# Altium PCB Austindetz_CM4_Board_v1.0.PcbDoc (part 2 of 6) (continued)
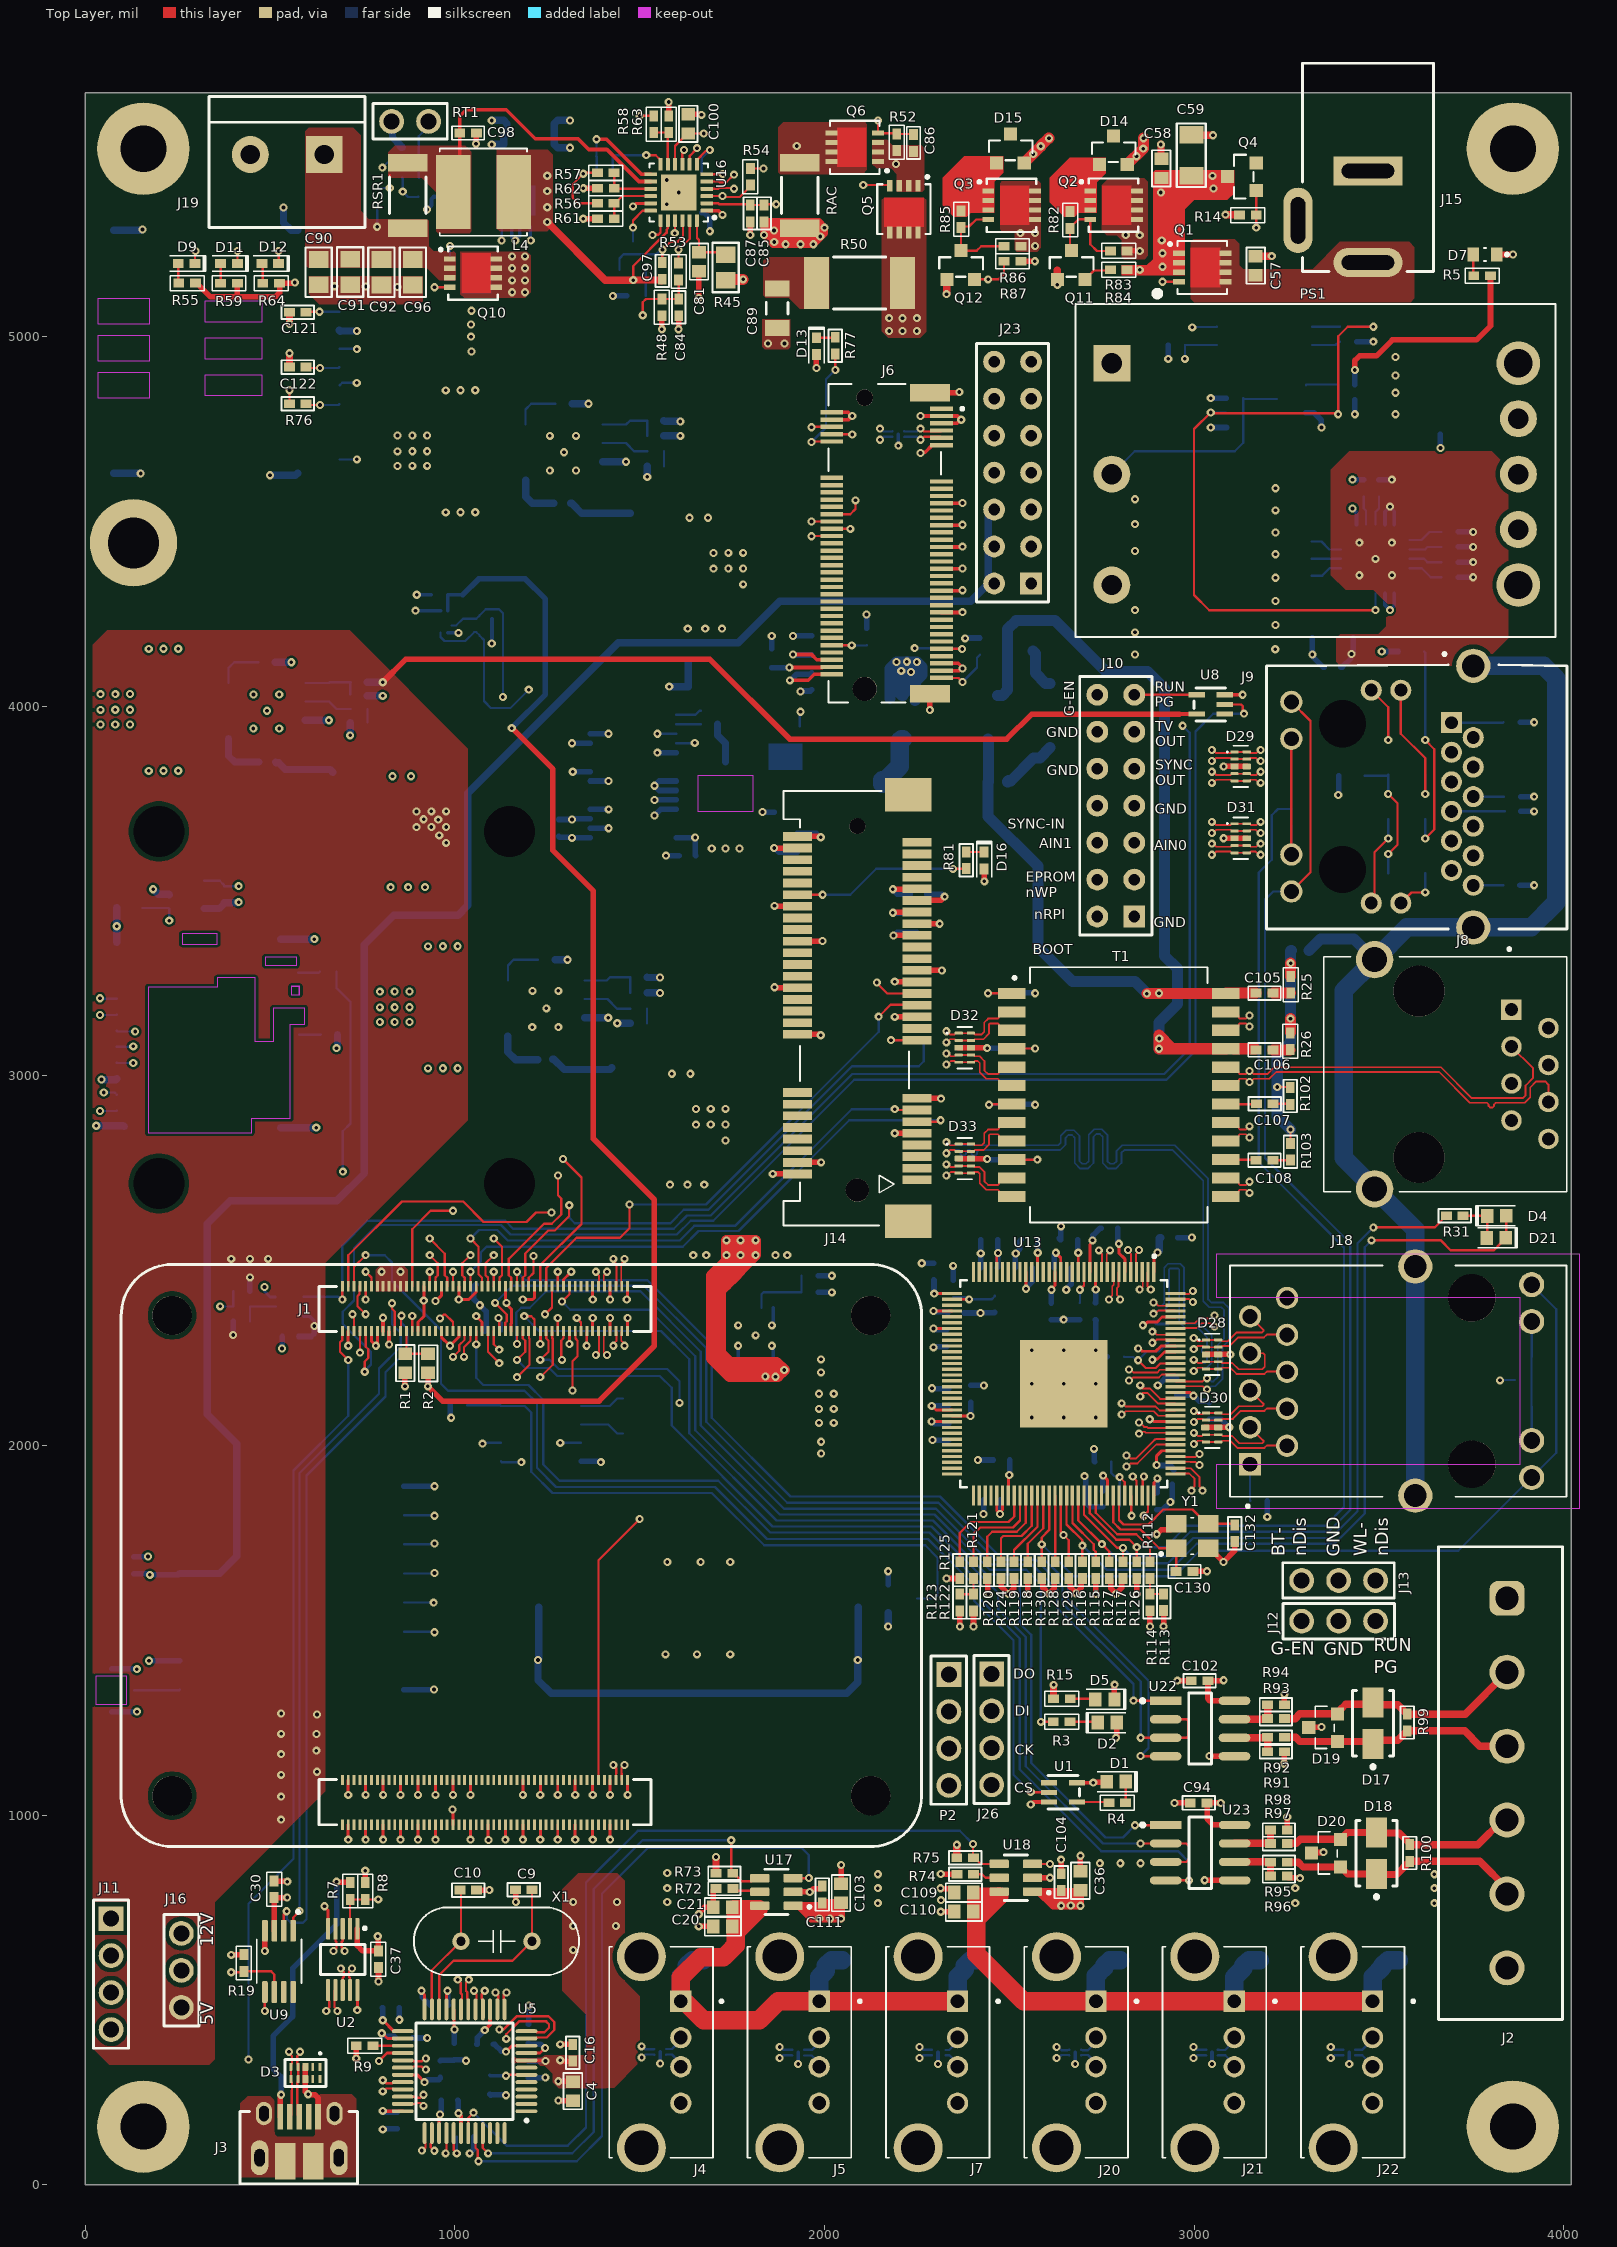
[diagram p0: Top Layer view]
## Part data (continued)
D19 D20: library part RCLAMP3552T, "TVS DIODE 3.5V 6.5V SLP1006N3T", Mfr. Part No.=RCLAMP3552T.TNT, Supplier Part No.=RCLAMP3552T.TNTCT-ND, Supplier="Digikey Electronics", Unit Price (USD)=0.48
D25: "No Description Available", Mfr_Name="Diodes Inc", Copyright="Copyright (C) 2023 Ultra Librarian. All rights reserved.", Manufacturer_Part_Number=SMBJ58A-13-F, RefDes=RefDes, Type=DEV
D26: library part CMP-1060-00149-1, "3 W Zener Voltage Regulator, 2-Pin SMB, Pb-Free, Tape and Reel", Manufacturer="On Semiconductor", ComponentLink1Description="Manufacturer URL", ComponentLink1URL=http://www.onsemi.com/, ComponentLink2Description=Datasheet, ComponentLink2URL=http://www.onsemi.com/pub_link/Collateral/1SMB5913BT3-D.PDF, ComponentLink3Description="Package Specification", ComponentLink3URL=http://www.onsemi.com/pub_link/Collateral/1SMB5913BT3-D.PDF, DatasheetVersion="Rev. 8", Mounting Technology="Surface Mount", PackageDescription="2-Pin Small Molded Package, J-Bend Lead, Body 4.33 x 3.625 mm", PackageReference=SMB-2-403A-03_H, PackageVersion="Rev. H, 05/2011", Packing="Tape and Reel", PartNumber=1SMB5933BT3G, RoHS=Pb-Free, VZ Typ (V)=22
D28 D29 D30 D31 D32 D33: "4-channel ESD solution for SuperSpeed (6 Gbps) USB 3.0 interface 10-USON -40 to 85", Package=None, Availability=Unavailable, MP=TPD4EUSB30DQAR, Price=None
F1: "No Description Available", Mfr_Name=Belfuse, Copyright="Copyright (C) 2023 Ultra Librarian. All rights reserved.", Manufacturer_Part_Number="C1S 1.5", RefDes=RefDes, Type=DEV
FB1 FB2: library part "Inductor Iron", "Magnetic-Core Inductor", LatestRevisionDate=17-Jul-2002, LatestRevisionNote="Re-released for DXP Platform.", PackageDescription="Axial Device, Thru-Hole; 2 Leads; 0.9 in Pin Spacing", PackageReference=AXIAL-0.9, Published=24-Mar-1999, Publisher="Altium Limited"
FL1 FL2 FL3 FL4 FL5 FL8 FL9: library part "Nexperia, PCMF1USB3SZ", "FLT, SMT, WLCSP5, Common Mode EMI Filters", Manufacturer=Nexperia, Operating Temperature="-40ºC ~ +125ºC", Supply Current=NO, Datasheet Link=https://www.nexperia.com/products/esd-protection-tvs-filtering-and-signal-conditioning/emi-solutions-with-integrated-protection/common-mode-filters-with-integrated-protection/PCMF1USB3S.html, Height=0.6mm, Manufacturer Part Number=PCMF1USB3S, Mounting=SMT, Notes=NC, Subpart Type="Common Mode EMI Filters", Substitutes Allowed=NO, Supply Voltage=NO
J1: library part RPICM4, "CONN RCPT 100POS SMD GOLD", Supplier Part No.=H11615CT-ND, Mfr. Part No.=DF40C-100DS-0.4V(51), Supplier="Digikey Electronics", Unit Price (USD)=1.73
J2: library part CMP-1502-02150-2, Color=Green, Current=20A, Voltage=300V, Contact Material=Brass, Contact Plating=Tin, Gender=Male, Height=12mm, Lead Pitch=5.08mm, Length=8.5mm, Mount="Through Hole", NexarPartId=8917751, Number of Contacts=6, Number of Levels=1, Number of Pins=6, Number of Positions Per Level=6, Number of Rows=1, Orientation=Vertical, Packaging=Box, Pitch=5.08mm, REACH SVHC=Unknown, RoHS=Compliant, Termination=Solder, Width=32.48mm
J3: library part USB-Micro, "CONN RCPT USB2.0 MICRO B SMD R/A", Supplier Part No.=609-4050-1-ND, Mfr. Part No.=10103594-0001LF, Supplier="Digikey Electronics", Unit Price (USD)=0.72
J4 J5 J7 J20 J21 J22: Package=None, Availability=Unavailable, MF="{'manufacturer': u'Amphenol ICC (Commercial Products)'}", MP=UE27AE54100, Price=None
J6: "M.2 0.5PITCH 4.2H KEY B 15U'' AU", Package=None, Availability=Unavailable, MP=2199230-3, Price=None
J8: library part A-2014-2-4-N-T-R, "Jack Modular Connector 8p8c (RJ45, Ethernet) Vertical Unshielded", Package=None, Digi-Key_Part_Number=AE10396-ND, MF="ASSMANN WSW Components", MP=A-2014-2-4-N-T-R, Purchase-URL=https://pricing.snapeda.com/search/part/A-2014-2-4-N-T-R/?ref=eda, SnapEDA_Link=https://www.snapeda.com/parts/A-2014-2-4-N-T-R/ASSMANN%20WSW%20Components/view-part/899781/?ref=snap
J9: "Conn RJ-45 F 8 POS 1.02mm Solder ST Thru-Hole 20 Terminal 1 Port Tray", Manufacturer_Name="Bel Magnetic Solutions", Mouser Part Number=530-V8BR-1AX1-GH, Datasheet Link=https://belfuse.com/resources/drawings/magneticsolutions/dr-MAG-V8BR-1AX1-GH.pdf, Geometry.Height=17.02mm, Manufacturer_Part_Number=V8BR-1AX1-GH, Mouser Price/Stock=https://www.mouser.co.uk/ProductDetail/Bel-Magnetic-Solutions/V8BR-1AX1-GH?qs=DPoM0jnrROWshWkc%2FQR6HQ%3D%3D
J10 J23: "CONN HEADER VERT 14POS 2.54MM", Mfr. Part No.=PRPC007DFBN-RC, Supplier Part No.=S2221EC-07-ND, Supplier="Digikey Electronics", Unit Price (USD)=0.47
J11 J26: "CONN HEADER VERT 4POS 2.54MM", Supplier="Digikey Electronics"
J12 J13 J16 RT1: "CONN HEADER VERT 3POS 2.54MM", Mfr. Part No.=75160-156-03LF, Supplier Part No.=609-75160-156-03LF-ND, Supplier="Digikey Electronics", Unit Price (USD)=0.74
J14 U5 U9: library part Component_1
J15: library part "DC Jack", "CONN PWR JACK 2X5.5MM SOLDER", Mfr. Part No.=PJ-037AH, Supplier Part No.=CP-037AH-ND, Supplier="Digikey Electronics", Unit Price (USD)=0.71
J17: library part SIM7100-6-1-15-00-A_REVC, "7 _6 + 1_ Position Card Connector Micro SIM Surface Mount, Right Angle Gold", Package=None, Availability=Unavailable, MF="Global Connector Technology", MP=SIM7100-6-1-15-00-A, Price=None, SnapEDA_Link=https://www.snapeda.com/parts/SIM7100-6-1-15-00-A/Global%20Connector%20Technology/view-part/449163/?ref=snap
J18: "MagJack 1000BaseT", Package=None, Digi-Key_Part_Number=V890-1AX1-A1A-ND, MF="Bel Magnetic Solutions", Mouser-Purchase-URL=https://snapeda.com/shop?store=Mouser&id=423023, MP=V890-1AX1-A1, SnapEDA_Link=https://www.snapeda.com/parts/V890-1AX1-A1/Bel%20Magnetic%20Solutions/view-part/423023/?ref=snap
J24: library part SD-CARD, "MICRO SD PUSH/PUSH SMALL 8C", Supplier Part No.=WM11190CT-ND, Mfr. Part No.=5033981892, Supplier="Digikey Electronics", Unit Price (USD)=2.41
J25: "U.FL Series 6 Ghz 50 Ohm Ultra-small SMT Coaxial Cable Receptacle", Package=None, Availability=Unavailable, MP=U.FL-R-SMT-1(10), Price=None
L1 L2 L3 L6: library part 4.3x4.3mm, "FIXED IND 22UH 620MA 350 MOHM", Mfr. Part No.=ASPI-4020S-220M-T, Supplier Part No.=535-12307-1-ND, Supplier="Digikey Electronics", Unit Price (USD)=0.48
L5: "Coupled inductor, 5A, 0.01 ohm, SMD", Manufacturer=TDK, Supplier Part Number 1=445-2214-1-ND, ComponentLink1Description="Datasheet link", ComponentLink1URL=http://www.tdk.co.jp/tefe02/e9713_acm.pdf, ComponentName=ACM7060-301-2PL-TL, CompType="Coupled Inductor", Config="Common Chokes", DCR_Ohm=0.01, Isat=5, LatestRevisionDate=2013-10-29, MountType=SMT, PackageReference="6x3.5x7 mm", PartNumber=ACM7060-301-2PL-TL, Published=2008-05-16, Publisher="Texas Instruments", RoHS=Y, Supplier 1=Digi-Key, SymbolCreator=a0799628, SymbolVersion=2013-03-27, U/M=EA
P2: "Header, 4-Pin", LatestRevisionDate=17-Jul-2002, LatestRevisionNote="Re-released for DXP Platform.", Publisher="Altium Limited"
PS1: "Isolated Module DC DC Converter 1 Output 12V - - 5A 36V - 75V Input", Package=None, Availability="In Stock", Check_prices=https://www.snapeda.com/parts/ULS-12/5-D48N-C/Murata/view-part/?ref=eda, ComponentLink1Description="New link", ComponentLink1URL=VOUT-, MF="Murata Power Solutions Inc.", MP=ULS-12/5-D48N-C, Price=None, Purchase-URL=https://pricing.snapeda.com/search/part/ULS-12/5-D48N-C/?ref=eda, SnapEDA_Link=https://www.snapeda.com/parts/ULS-12/5-D48N-C/Murata/view-part/?ref=snap
Q1 Q5 Q6 Q10: library part MOSFET-P, Supplier="Digikey Electronics"
Q2 Q3 Q7 Q8: library part MOSFET-N, Supplier="Digikey Electronics"
Q4: library part Diode-SOT23-3, Supplier="Digikey Electronics"
Q9: library part CMP-1259-00083-1, "N-Channel Trench MOSFET, 60 V, 0.35 A, -55 to 150 degC, 3-Pin SOT23, Tape and Reel", Manufacturer="NXP Semiconductors", Automotive Qualified=Y, Channel Type=N, Code_JEDEC=TO-236AB, ComponentLink1Description="Manufacturer URL", ComponentLink1URL=http://www.nxp.com/, ComponentLink2Description=Datasheet, ComponentLink2URL=http://www.nxp.com/documents/data_sheet/2N7002BK.pdf, ComponentLink3Description="Package Specification", ComponentLink3URL=http://www.nxp.com/documents/outline_drawing/sot023_po.pdf, DatasheetVersion="Rev. 1", ID [max] (A)=0.35, IDM [max] (A)=1.2, Mounting Technology="Surface Mount", PackageDescription="3-Pin Small Outline Transistor Package, Body 2.9 x 1.3 mm, Pitch 0.95 mm", PackageReference=SOT23, PackageVersion="06-03-16, 03/2006", Packing="Tape & Reel", PartNumber=2N7002BK,215, VDS [max] (V)=60, VGSth [typ] (V)=1.6
Q11 Q12: library part 2N3904, "NPN General Purpose Amplifier", ComponentLink1Description="Manufacturer Link", ComponentLink1URL=http://www.fairchildsemi.com/, ComponentLink2Description=Datasheet, ComponentLink2URL=http://www.fairchildsemi.com/ds/2N%2F2N3904.pdf, DatasheetVersion=1997, LatestRevisionDate=15-Jan-2003, LatestRevisionNote="PCB Footprint 'BCY-W3/D4.7' replaced", PackageDescription="TO, Flat Index; 3 In-Line, Axial Leads; Body Dia. 4.5mm; Leads 0.51 x 0.48 mm (max)", PackageReference=TO-92A, PackageVersion=Sep-1998, Published=8-Jun-2000, Publisher="Altium Limited"
Q13: "MOSFET, N-CH, 100V, 3.3A, 3.3x1x3.3mm", Alternate Manufacturer=None, Manufacturer="Fairchild Semiconductor", Supplier Part Number 1=FDMC3612CT-ND, Value1="0.11 ohm", Value2="21 nC", ChType=N, ComponentLink1Description="Datasheet link", ComponentLink1URL=http://www.fairchildsemi.com/ds/FD/FDMC3612.pdf, CompType=MOSFET, IdsMax_A=3.3, LatestRevisionDate=2013-08-15, LatestRevisionNote="Added parts.", MountType=SMT, PackageReference=3.3x1x3.3mm, PartNumber=FDMC3612, Published=2008-06-19, Publisher="Texas Instruments", QgTyp_nC=21, Rdson45_Ohm=0.11, RoHS=Y, Supplier 1=Digi-Key, Supplier 2=Mouser, Supplier 3=Farnell, Supplier Part Number 2=512-FDMC3612, Supplier Part Number 3=2083247, SymbolVersion=2008-07-09, U/M=EA, VdsMax_V=100, Vgs_V=4
R1: library part Resistor, "RESA-AS 0805 0R JUMPER 125MW", Mfr. Part No.=CR0805AJ/-000EAS, Supplier Part No.=CR0805AJ/-000EASCT-ND, Supplier="Digikey Electronics", Unit Price (USD)=0.1
R2: library part Resistor, "CRGCQ 0402 470R 1%", Mfr. Part No.=nf, Supplier=nf, Supplier Part No.=nf, Unit Price (USD)=0
R3 R4 R32 R33 R49 R73 R75 R89 R108 R109 R110 R111 R112 R113 R114 R115 R116 R117 R118 R119 R120 R121 R122 R123 R124 R125 R126 R127 R128 R129 R130 R138: library part Resistor, "RES SMD 1K OHM 1% 1/16W 0402", Mfr. Part No.=RC0402FR-071KL, Supplier Part No.=311-1.00KLRCT-ND, Supplier="Digikey Electronics", Unit Price (USD)=0.1
R5 R6 R10 R11 R34 R35 R37 R38 R39 R40 R41 R42 R43 R44 R68 R69 R70 R71 R72 R74: library part Resistor, "RES SMD 15K OHM 1% 1/16W 0402", Mfr. Part No.=MCR01MZPF1502, Supplier Part No.=RHM15.0KLTR-ND, Supplier="Digikey Electronics", Unit Price (USD)=0.1
R7 R8 R18: library part Resistor, "RES SMD 2.2K OHM 1% 1/16W 0402", Mfr. Part No.=RT0402FRE072K2L, Supplier Part No.=13-RT0402FRE072K2LCT-ND, Supplier="Digikey Electronics", Unit Price (USD)=0.1
R9 R54: library part Res1, "Resistor", LatestRevisionDate=17-Jul-2002, LatestRevisionNote="Re-released for DXP Platform.", PackageDescription="Axial Device, Thru-Hole; 2 Leads; 0.3 in Pin Spacing", PackageReference=AXIAL-0.3, Published=8-Jun-2000, Publisher="Altium Limited"
R12 R13 R14 R15 R19 R20 R21 R22 R23 R24 R25 R26 R27 R28 R29 R30 R31 R76 R77 R78 R79 R80 R81 R88 R91 R92 R93 R94 R95 R96 R97 R98 R99 R100 R101 R102 R103 R104 R106 R147 R148 R149 R150 R151: library part Resistor, "RES SMD 51 OHM 0.5% 1/16W 0402", Mfr. Part No.=ERA-2AED510X, Supplier Part No.=P51DECT-ND, Supplier="Digikey Electronics", Unit Price (USD)=0.21
R16 R17: library part Resistor, "RES SMD 510K OHM 1% 1/16W 0402", Mfr. Part No.=MCR01MZPF5103, Supplier Part No.=RHM510KLCT-ND, Supplier="Digikey Electronics", Unit Price (USD)=0.1
R45 R46 R47 R48 R51 R52 R53 R55 R56 R57 R58 R59 R61 R62 R63 R64 R65 R66 R67: "Semiconductor Resistor", LatestRevisionDate=17-Jul-2002, LatestRevisionNote="Re-released for DXP Platform.", PackageDescription="Axial Device, Thru-Hole; 2 Leads; 0.5 in Pin Spacing", PackageReference=AXIAL-0.5, Published=8-Jun-2000, Publisher="Altium Limited"
R50: library part CMP-26527-006700-1, "2Ω ±5% 1W 2512 Thick Film Chip Resistor AEC-Q200 compliant", Case Code (Imperial)=2512, Case Code (Metric)=6432, Max Operating Temperature=155°C, Max Power Dissipation=1W, Min Operating Temperature=-55°C, Resistance=2R, Resistor Type="Thick Film", Temperature Coefficient=400ppm/°C, Tolerance=5%, Case/Package=2512, Construction=Rectangular, Contact Plating=Tin, Depth=3.2mm, Features="Automotive AEC-Q200", Height=0.028inch, Lead Free="Lead Free", Length=0.248inch, Military Standard=Not, Mount="Surface Mount", Number of Terminations=2, Packaging="Tape and Reel", Power Rating=1W, Radiation Hardening=No, RoHS Compliant=Yes, Series=RMCF, Size Code=2512, Width=0.126inch
R82 R83 R84 R85 R86 R87: library part Resistor, "Semiconductor Resistor", LatestRevisionDate=17-Jul-2002, LatestRevisionNote="Re-released for DXP Platform.", PackageDescription="Axial Device, Thru-Hole; 2 Leads; 0.5 in Pin Spacing", PackageReference=AXIAL-0.5, Published=8-Jun-2000, Publisher="Altium Limited"
R90: library part Resistor, "RES SMD 12K OHM 1% 1/16W 0402", Mfr. Part No.=MCR01MZPF1202, Supplier Part No.=RHM12.0KLCT-ND, Supplier="Digikey Electronics", Unit Price (USD)=0.12
RAC RSR1: library part CMP-2000-07418-1, "Chip Resistor, 10 mOhm, +/- 1%, 0.5 W, -65 to 170 degC, 2010 (5025 Metric), RoHS, Tape and Reel", Case Code - in=2010, Case Code - mm=5025, Case Height=0.635mm, Case Length=5mm, Case Width=2.5mm, Manufacturer=Vishay, Operating Temperature Range=-65Cto+170C, Package / Case=2010(5025metric), Package Description="2-Pin Surface Mount Device, Body 5.08 x 2.54 mm", Power Rating=500mW(1/2W), Resistance=0.01Ohms, Temperature Coefficient=75PPM/C, Tolerance=1%, Brand=Vishay/Dale, Datasheet URL=http://www.vishay.com/docs/30100/wsl.pdf, Datasheet Version=07/2016, Factory Pack Quantity=4000, Manufacturer URL=http://www.vishay.com/, Mounting Technology=SurfaceMount, Package Reference=2010, Packaging=Reel, Product=MetalElementCurrentSensingResistors, Product Category=CurrentSenseResistors-SMD, RoHS=Details, Series=WSL, Termination Style=SMD/SMT, Tradename=PowerMetalStrip, Type=PowerMetalStripResistors,LowValue(downto0.0005Ohms),SurfaceMount, Unit Weight=0.001372oz
T1: library part 7490220122, "350ÂµH LAN 10/100/1000 Base-T Pulse Transformer 1CT:1CT Transmitter, 1CT:1CT Receiver Surface Mount", Package="SMD-2 Wurth Electronics", Availability=Unavailable, MF="Wurth Electronics", MP=7490220122, Price=None, SnapEDA_Link=https://www.snapeda.com/parts/7490220122/Wurth%20Electronics%20Inc./view-part/1426413/?ref=snap
U1 U7 U8: "IC BUF NON-INVERT 5.5V SOT353", Supplier Part No.=74LVC1G07SE-7DICT-ND, Mfr. Part No.=74LVC1G07SE-7, Supplier="Digikey Electronics", Unit Price (USD)=0.26
U2: "IC USB SWITCH DPDT 10MSOP", Supplier Part No.=FSUSB42MUXCT-ND, Mfr. Part No.=FSUSB42MUX, Supplier="Digikey Electronics", Unit Price (USD)=0.6
U3 U25: "No Description Available", Mfr_Name="Texas Instruments", Copyright="Copyright (C) 2023 Ultra Librarian. All rights reserved.", RefDes=RefDes, Type=DEV
  U3: Manufacturer_Part_Number=TPS2372-3RGWR
  U25: Manufacturer_Part_Number=TPS23861PW
U4 U10 U11: library part CMP-12757-000024-1, "DCDC CONV HV BUCK SO-8EP"
U6: "IC RTC CLK/CALENDAR I2C 8SOIC", Supplier Part No.=568-PCF85063AT/AAZCT-ND, Mfr. Part No.=PCF85063AT/AAZ, Supplier="Digikey Electronics", Unit Price (USD)=0.335
U12: library part CMP-2000-05058-1, "DC Input, Half-Pitch Phototransistor Optocoupler, 5 V, -55 to 110 degC, 4-Pin SOIC, RoHS, Tape and Reel", Current Transfer Ratio=600%, Isolation Voltage=3000Vrms, Manufacturer=AvagoTechnologies, Maximum Collector Current=50mA, Maximum Collector Emitter Saturation Voltage=0.4V, Maximum Collector Emitter Voltage=80V, Maximum Forward Diode Voltage=1.4V, Maximum Operating Temperature=+110C, Maximum Power Dissipation=200mW, Maximum Reverse Diode Voltage=6V, Minimum Operating Temperature=-55C, Package / Case=SOIC-4, Package Description="4-Pin Small Outline Integrated Circuits, Body 4.4 x 2.6 mm, Pitch 1.27 mm", Brand=AvagoTechnologies, Configuration=1Channel, Datasheet URL=https://datasheet.ciiva.com/15118/getdatasheetpartid-243403-15118938.pdf, Datasheet Version=Aug-11, Factory Pack Quantity=3000, Input Type=DC, Manufacturer URL=http://www.avagotech.com/, Maximum Fall Time=3us, Maximum Input Diode Current=50mA, Maximum Rise Time=2us, Number of Channels=1Channel, Number of Channels per Chip=1Channel, Output Device=NPNPhototransistor, Output Type=DC, Package Reference=SOIC-4, Packaging=Reel, Product Category=TransistorOutputOptocouplers, RoHS=Details
U13: Mfr_Name=Realtek, Package=LQFP128_EPAD_RTK, Copyright="Copyright (C) 2023 Ultra Librarian. All rights reserved.", DeviceSetName=RTL8367RB-CG, GateName_1=A, GateName_2=B, LibraryName=RTL8367RB, Manufacturer_Part_Number=RTL8367RB-CG, SymbolName_1=RTL8367RB-CG_PARTA, SymbolName_2=RTL8367RB-CG_PARTB
U14: "No Description Available", Mfr_Name=STMicroelectronics, RefDes=RefDes, Type=Type
U16: library part bq24616
U17 U18: "LOAD SWITCH,SOT26,T&R,3K", Supplier Part No.=31-AP22653W6-7CT-ND, Mfr. Part No.=AP22653W6-7, Supplier="Digikey Electronics", Unit Price (USD)=0.42
U19: "IC PWR SWTCH N-CHAN 1:1 TSOT23-5", Supplier Part No.=1028-1436-1-ND, Mfr. Part No.=RT9742GGJ5, Supplier="Digikey Electronics", Unit Price (USD)=1.52
U22 U23: library part CMP-05679-000063-1, "DUAL VOLTAGE RS-485, 70V FP, 40V"
U24: "RFM95(W) - Low Power Long Range Transceiver Module V1.0", Package=None, Availability=Unavailable, MP=RFM95W-915S2, Price=None
X1: library part ST3215SB32768C0HPWBB, "CRYSTAL 24.0000MHZ 18PF TH", Mfr. Part No.=ECS-240-18-4XEN, Supplier Part No.=XC1725-ND, Supplier="Digikey Electronics", Unit Price (USD)=0.66
X2: library part ST3215SB32768C0HPWBB, "CRYSTAL 32.7680KHZ 7PF SMD 20ppm", Mfr. Part No.=CM7V-T1A-32.768KHZ-7PF-20PPM-TB-QA, Supplier Part No.=2195-CM7V-T1A-32.768KHZ-7PF-20PPM-TB-QACT-ND, Supplier="Digikey Electronics", Unit Price (USD)=0.42
Y1: "25 MHz Â±30ppm Crystal 10pF 60 Ohms 4-SMD, No Lead", Package="SMD-4 Abracon", Availability="In Stock", Check_prices=https://www.snapeda.com/parts/ABM8G-25.000MHZ-4Y-T3/Abracon+LLC/view-part/?ref=eda, MF=Abracon, MP=ABM8G-25.000MHZ-4Y-T3, Price=None, Purchase-URL=https://pricing.snapeda.com/search/part/ABM8G-25.000MHZ-4Y-T3/?ref=eda, SnapEDA_Link=https://www.snapeda.com/parts/ABM8G-25.000MHZ-4Y-T3/Abracon+LLC/view-part/?ref=snap
C81 C82 C83 C84 C85 C86 C87 C88 C89 C90 C91 C92 C96 C97 C98 C99 C100 C101 Cff1 Cttc: LatestRevisionDate=17-Jul-2002, LatestRevisionNote="Re-released for DXP Platform.", PackageDescription="Radial Cap, Thru-Hole; 2 Leads; 0.3 in Pin Spacing", PackageReference=RAD-0.3, Published=8-Jun-2000, Publisher="Altium Limited"
J19: Supplier="Digikey Electronics"
L4: Code_IEC=1005, Code_JEITA=0402, LatestRevisionDate=29-May-2009, LatestRevisionNote="IPC-7351 Footprint Added.", PackageDescription="Chip Inductor", PackageReference=0402-A, Published=8-Jun-2000, Publisher="Altium Limited"

## Free pads (board coordinates)
  round 236.22 hole 137.8: MH(130.5,4442.17)
  round 250 hole 125.2 mask+2.76: MH(157.39,5508.61) MH(157.39,157.46) MH(3862.43,157.46) MH(3862.43,5508.61)

## Via types
v1: diameter 22, hole 10, Top Layer to Bottom Layer, tented both sides, 968 vias
v2: diameter 22, hole 10, Top Layer to Bottom Layer, 5 vias

## Nets (pads, with @x,y where several pads share a name; then routed paths per layer and width w, separated by ;. In a path a pad name is that pad's centre, name@x,y a point inside that pad or via, vN(x,y) a via of type N, cw(c..) or ccw(c..) an arc to the next point about the centre after c; other vN are vias at no path point)
3V3: C40.1 J23.2 J23.4 J23.6 U24.13 | length 4804.7
  Bottom Layer w15: C40.1@130.79,1653.33 169.67,1653.33 173.02,1649.98 v1(174.91,1649.98) 251.96,1649.98 U24.13@255.88,1653.91
  Bottom Layer w20: U24.13@255.88,1653.91 363.83,1653.91 409.91,1699.98 409.91,2004.98 329.91,2084.98 329.91,2599.98 391.91,2661.98 680.91,2661.98 754.91,2735.98 754.91,3354.98 834.91,3434.98 1008.68,3434.98 1034.91,3461.21 1034.91,3764.98 1441.94,4172.01 1766.94,4172.01 1878.63,4283.71 2395.42,4283.71 2442.71,4331 2442.71,4431 J23.6@2442.71,4531
3V3_M2+PCIE: C32.1 C33.1 C34.1 C71.1 C72.1 C73.1 C118.1 C119.1 C120.1 D13.1 D16.1 J6.2 J6.4 J6.70 J6.72 J6.74 J14.2 J14.39 J14.41 J14.52 L2.1 R21.1 R78.2 | length 1246.3
  Top Layer w10: v1(1904.91,4104.98) 1993.75,4104.98 1993.75,4105.3 1994.68,4106.23 J6.72@2019.28,4106.23 ; v1(1906.15,4070.14) 1956.15,4070.14 1972.56,4086.54 J6.74@2019.28,4086.54 ; v1(1914.71,4139.98) 1964.71,4139.98 1978.78,4125.91 J6.70@2019.28,4125.91 ; J6.4@2019.28,4775.52 2065.07,4775.52 v1(2074.91,4785.36) 2073.35,4785.36 2063.51,4795.2 J6.2@2019.28,4795.2
  Top Layer w15: v1(1859.91,2734.98) 1860.17,2734.73 1927.17,2734.73 J14.2@1927.43,2734.47 ; J14.52@1927.43,3647.86 1987.78,3647.86 v1(1989.91,3645.73) ; v1(1978.18,4914.98) D13.1@1978.18,4951.72 ; v1(2184.91,3441.28) 2186.76,3443.13 J14.39@2250.26,3443.13 ; J14.41@2250.26,3474.63 2314.56,3474.63 v1(2324.91,3484.98) ; D16.1@2431.72,3560.22 2432.09,3559.85 2432.09,3526.62 v1(2432.47,3526.25)
  Bottom Layer w15: C73.1@1856.7,4103.71 1857.34,4104.35 1904.27,4104.35 v1(1904.91,4104.98) ; v1(1906.15,4070.14) 1908.05,4070.14 1924.88,4086.97 1962.08,4086.97 C71.1@1965.09,4089.98 ; v1(1914.71,4139.98) 1915.98,4138.71 C72.1@1965.09,4138.71 ; C119.1@1926.12,3656.26 1977.49,3656.26 1988.02,3645.73 v1(1989.91,3645.73) ; v1(2113.85,4248.2) 2114.13,4247.92 2114.13,4210.83 R78.2@2114.4,4210.56 ; v1(2184.91,3441.28) 2185.56,3440.63 2249.26,3440.63 C120.1@2249.91,3439.98 ; C118.1@2276.56,3490.86 2317.14,3490.86 2323.02,3484.98 v1(2324.91,3484.98)
  Bottom Layer w20: R21.1@1565.56,4772.65 1567.37,4770.84 1609.68,4770.84 v1(1609.91,4770.6)
  other v1: 1779.91,4329.75 1699.91,4372.28 1739.91,4372.58 1779.91,4372.58 1699.91,4414.68 1739.91,4414.98 1779.91,4414.98
12V_ADP: C58.1 C59.1 Q1.S Q3.D Q4.3 R84.1 R86.1 | length 36.3
  Top Layer w15: R84.1@2818.93,5180.69 v1(2853.03,5180.69) ; v1(2909.91,5389.98) v1@2910.69,5390.76 ; C58.1@2910.69,5428.57 C58.1@2911.47,5429.35
  other v1: 2914.24,5188.9 2914.24,5225.42 2569.91,5244.98 2912.53,5260.52 2529.91,5279.98 2569.91,5279.98 3052.2,5400.64 3049.91,5434.98
12V_POE: C74.1 C75.1 C76.1 PS1.7 PS1.8 Q2.D R83.1 R87.1 | length 72.2
  Top Layer w15: R87.1@2531.07,5204.12 v1(2569.15,5204.12) ; R83.1@2818.93,5231.87 v1(2853.03,5231.87)
  other v1: 2814.91,5274.98 2853.03,5274.62
12V_SYS: C12.1 C23.1 C24.1 C25.1 C26.1 C27.1 C28.1 C31.1 C43.1 C44.1 C45.1 C46.1 C82.1 C83.1 C84.2 C85.2 C149.1 C150.1 J16.3 Q8.D Q10.D R48.2 RAC.2 U4.2 U4.3 U10.2 U10.3 U11.2 U11.3 U14.1 U14.2 U14.6 U16.1 | length 3180.9
  Top Layer w10: U16.1@1681.85,5340.9 1712.74,5340.9 v1@1724.11,5329.53
  Top Layer w15: v1(1559.91,5019.98) 1560.19,5020.26 1560.19,5056.32 R48.2@1560.46,5056.6 ; v1(1604.91,5019.98) 1605.29,5020.36 1605.29,5056.22 C84.2@1605.66,5056.6
  Top Layer w20: C85.2@1836.45,5307.55 C85.2@1836.45,5310.5 1984.39,5310.5 v1(1999.91,5294.98) v1@1999.53,5294.6 ; C85.2@1836.45,5307.55 v1(1836.45,5274.98) 1850.6,5260.83 ; C85.2@1836.45,5307.55 1850.6,5293.4 ; 1850.6,5260.83 1850.6,5277.11 ; 1850.6,5260.83 1861.45,5249.98 1878.18,5249.98 ; 1850.6,5277.11 1850.6,5293.4 ; 1850.6,5277.11 v1@1864.91,5277.11 ; 1850.6,5293.4 RAC.2@1903.32,5293.4 ; v1@1864.91,5277.11 v1@1867.78,5277.11 ; v1@1864.91,5277.11 1864.91,5263.25 1878.18,5249.98 ; v1@1867.78,5277.11 v1(1894.91,5249.98) ; v1@1867.78,5277.11 1887.04,5277.11 1889.7,5279.77 1890.1,5279.77 RAC.2@1894.91,5284.58 ; 1878.18,5249.98 v1(1894.91,5249.98) ; v1(1894.91,5249.98) 1894.91,5267.48 ; v1(1894.91,5249.98) v1(1934.91,5249.98) ; 1894.91,5267.48 RAC.2@1894.91,5284.58 ; 1894.91,5267.48 1897.51,5264.88 1934.91,5264.88 ; RAC.2@1894.91,5284.58 1894.91,5284.98 RAC.2@1903.32,5293.4 ; RAC.2@1903.32,5293.4 RAC.2@1933.25,5293.4 ; RAC.2@1933.25,5293.4 RAC.2@1934.91,5291.74 ; RAC.2@1933.25,5293.4 RAC.2@1975.2,5293.4 ; v1(1934.91,5249.98) 1934.91,5264.88 ; v1(1934.91,5249.98) v1(1969.91,5249.98) ; 1934.91,5264.88 1969.91,5264.88 ; 1934.91,5264.88 RAC.2@1934.91,5291.74 ; RAC.2@1934.91,5291.74 RAC.2@1941.66,5284.98 ; RAC.2@1941.66,5284.98 1943.92,5282.73 RAC.2@1966.96,5282.73 ; RAC.2@1941.66,5284.98 1964.7,5284.98 RAC.2@1966.96,5282.73 ; RAC.2@1966.96,5282.73 RAC.2@1969.91,5279.77 ; RAC.2@1966.96,5282.73 RAC.2@1969.91,5282.73 ; v1(1969.91,5249.98) 1999.53,5279.6 ; v1(1969.91,5249.98) 1969.91,5264.88 ; 1969.91,5264.88 RAC.2@1969.91,5279.77 ; RAC.2@1969.91,5279.77 RAC.2@1969.91,5282.73 ; RAC.2@1969.91,5282.73 1969.91,5288.11 RAC.2@1975.2,5293.4 ; RAC.2@1969.91,5282.73 1996.4,5282.73 1999.53,5279.6 ; RAC.2@1975.2,5293.4 1976.4,5294.6 v1@1999.53,5294.6 ; RAC.2@1975.2,5293.4 1998.32,5293.4 v1@1999.53,5294.6 ; 1999.53,5279.6 v1@1999.53,5294.6
  Top Layer w30: 1694.91,2424.98 1694.91,2459.66 1734.91,2499.66 ; 1694.91,2424.98 1694.91,2234.98 1719.05,2210.84 ; 1694.91,2424.98 1734.91,2464.98 ; 1719.05,2210.84 1743.37,2186.53 1783.37,2186.53 ; 1719.05,2210.84 1719.05,2250.84 ; 1719.05,2250.84 1719.05,2419.13 1734.91,2434.98 ; 1719.05,2250.84 1744.91,2224.98 ; 1734.91,2434.98 1734.91,2464.98 ; 1734.91,2434.98 1757.41,2457.48 ; 1734.91,2464.98 1734.91,2499.66 ; 1734.91,2499.66 v1(1734.91,2514.98) ; v1(1734.91,2514.98) 1757.41,2492.48 ; v1(1734.91,2514.98) 1734.91,2534.98 ; v1(1734.91,2514.98) v1(1772.95,2514.98) ; 1734.91,2534.98 1772.95,2534.98 ; 1734.91,2534.98 v1(1734.91,2554.98) v1(1772.95,2554.98) ; 1744.91,2224.98 1783.37,2186.53 ; 1744.91,2224.98 1769.91,2224.98 ; 1757.41,2457.48 1772.95,2473.03 1772.95,2474.24 ; 1757.41,2457.48 1757.41,2492.48 ; 1757.41,2492.48 1772.95,2476.94 ; 1769.91,2224.98 1819.91,2224.98 ; 1769.91,2224.98 1794.91,2199.98 ; 1772.95,2474.24 1772.95,2476.94 ; 1772.95,2474.24 v1(1813.7,2514.98) ; 1772.95,2476.94 v1(1772.95,2514.98) ; v1(1772.95,2514.98) 1772.95,2534.98 ; v1(1772.95,2514.98) v1(1813.7,2514.98) ; 1772.95,2534.98 1813.7,2534.98 ; 1772.95,2534.98 v1(1772.95,2554.98) ; v1(1772.95,2554.98) v1(1813.7,2554.98) 1813.7,2534.98 ; 1783.37,2186.53 1808.37,2186.53 ; 1794.91,2199.98 1808.37,2186.53 ; 1794.91,2199.98 1819.91,2224.98 ; 1808.37,2186.53 1826.11,2204.27 v1(1891.13,2204.27) ; 1808.37,2186.53 v1(1839.91,2186.53) 1873.39,2186.53 v1(1891.13,2204.27) ; v1(1813.7,2514.98) 1813.7,2534.98 ; 1819.91,2224.98 1870.42,2224.98 v1(1891.13,2204.27)
  Bottom Layer w20: U14.6@1830.03,2222.92 1830.03,2198.38 1839.91,2188.51 v1(1839.91,2186.53) 1867.28,2186.53 1867.52,2186.29 1868.21,2186.29 1868.82,2186.91 1874.93,2186.91 1890.75,2202.73 1890.75,2203.35 v1@1891.13,2203.35
  other v1: 1867.28,2185.91 797.1,3145.7 837.1,3146 877.1,3146 797.1,3185.4 837.1,3185.7 877.1,3185.7 797.1,3227.99 837.1,3228.29 877.1,3228.29 41.3,3950.59 81.3,3950.59 121.3,3950.89 41.3,3990.28 81.3,3990.59 121.3,3990.59 41.3,4032.87 81.45,4032.87 121.3,4033.17 844.91,4649.98 884.91,4650.29 924.91,4650.29 844.91,4689.68 884.91,4689.98 924.91,4689.98 844.91,4732.27 884.91,4732.57 924.91,4732.57 1154.91,5119.98 1189.91,5119.98 1154.91,5152.24 1189.91,5152.24 1154.91,5184.83 1189.91,5184.83 1154.91,5217.18 1189.91,5217.18 1864.18,5255.96 1988.38,5270.99 1863.53,5287.24 1724.14,5329.53
+1.2V: C54.1 C61.1 C64.1 C67.1 C70.1 C126.1 C127.1 C128.1 C129.1 C133.1 C151.1 C152.1 L6.2 R12.2 R110.2 R111.2 U13.6 U13.14 U13.21 U13.28 U13.53 U13.71 U13.101 U13.111 U13.124 | length 1167.4
  Top Layer w8: v1(2290.25,2107.39) 2301.5,2096.14 U13.53@2344.81,2096.14 ; U13.28@2465.96,2469.26 2465.96,2517.58 v1(2469.18,2520.79) ; U13.71@2497.45,1864.76 2497.95,1865.26 2497.95,1918.03 v1(2499.91,1919.98) ; U13.21@2576.19,2469.26 2576.19,2520.79 v1(2576.91,2521.51) ; U13.14@2686.43,2469.26 v1(2686.43,2521.51) ; v1(2796.31,2545.97) 2796.31,2521.19 2812.41,2505.08 U13.6@2812.41,2469.26 ; v1(2861.35,2325.52) 2865.14,2325.52 2873.35,2333.73 2899.44,2333.73 2913.31,2347.61 2948.81,2347.61 U13.124@2949.31,2348.11 ; v1(2898.57,1947.28) 2898.57,1972.15 2912.32,1985.91 U13.101@2949.31,1985.91 ; U13.111@2949.31,2143.39 2989.84,2143.39 v1(2998.47,2134.76)
  Bottom Layer w8: v1(2861.35,2325.52) 2865.14,2325.52 2873.35,2333.73 2893.7,2333.73 2899.06,2328.37 R110.2@2930.46,2328.37
  Bottom Layer w15: R12.2@1983.3,2459.43 v1(2019.91,2459.43) ; v1(2290.25,2107.39) 2290.72,2107.86 2335.31,2107.86 C61.1@2335.79,2108.33 ; v1(2347.91,2485.98) 2348.38,2485.52 R111.2@2348.38,2447.37 ; C70.1@2467.36,2481.26 2468.27,2482.17 2468.27,2519.89 v1(2469.18,2520.79) 2468.87,2521.1 2468.87,2556.55 C67.1@2468.56,2556.86 ; v1(2499.91,1919.98) 2500.73,1920.81 2500.73,1960.04 C126.1@2501.56,1960.86 ; v1(2576.91,2521.51) 2577.26,2521.86 2577.26,2556.51 C64.1@2577.6,2556.86 ; C54.1@2684.56,2556.86 2685.5,2555.92 2685.5,2522.45 v1(2686.43,2521.51) ; C127.1@2793.56,2587.86 2793.56,2550.61 2796.31,2547.86 v1(2796.31,2545.97) ; v1(2898.57,1947.28) 2899.91,1945.94 2936.05,1945.94 2940.36,1941.63 C133.1@2940.36,1940.92 2940.36,1937.96 C133.1@2944.67,1933.65 ; C129.1@2952.79,2136.33 2953.57,2135.55 2997.68,2135.55 3013.93,2119.3 3037.6,2119.3 C128.1@3040.91,2115.98
  other v1: 1984.91,2061.2 2024.91,2061.2 1984.91,2099.24 2024.91,2099.24 1984.91,2139.98 2024.91,2139.98
+1.8V: A1.10 C153.1 J1.88 J1.90 R2.2 | length 3665
  Top Layer w8: J1.90@774.4,2309.51 774.4,2281.8 v1(786.21,2269.98) 786.21,2273.77 790.15,2277.71 J1.88@790.15,2309.51
  Top Layer w15: R2.2@927.41,2196.51 927.41,2160.42 v1(926.98,2159.98) 966.98,2119.98 1389.91,2119.98 1539.91,2269.98 1539.91,2664.98 1374.91,2829.98 1374.91,3499.98 1264.91,3609.98 1264.91,3829.98 1154.04,3940.86 v1(1153.83,3940.86)
  04_SIg2 w20: v1(786.21,2269.98) 786.59,2269.6 786.59,2239.3 795.75,2230.14 795.75,2147.14 822.91,2119.98 886.98,2119.98 v1(926.98,2159.98)
  Bottom Layer w10: A1.10@980.57,4258.7 980.64,4258.78 980.64,4300.82 C153.1@981.29,4301.47 1021.43,4301.47 1021.76,4301.8
  Bottom Layer w15: 1021.76,4301.8 1064.95,4344.98 1189.91,4344.98 1244.91,4289.98 1244.91,4031.94 v1(1153.83,3940.86)
+3.3V: C30.1 C37.1 C49.1 C50.1 C51.1 C53.1 C60.1 C62.1 C63.1 C65.1 C66.1 C68.1 C69.1 C77.1 C78.1 C94.2 C102.2 C125.1 C131.1 C134.1 C140.1 D1.1 D2.1 D6.2 J1.84 J1.86 L3.1 R1.2 R18.1 R19.1 R28.1 R32.1 R33.1 R49.2 R90.1 R91.2 R95.2 R108.1 R109.1 R114.2 R116.2 R117.2 R119.2 R120.2 R122.2 R124.2 R125.2 R126.2 R127.2 R128.2 R129.2 R130.2 R138.2 U1.5 U2.1 U9.3 U13.1 U13.11 U13.17 U13.18 U13.23 U13.33 U13.36 U13.39 U13.54 U13.55 U13.69 U13.70 U13.88 U13.96 U13.106 U13.119 U19.5 U22.8 U23.8 U25.1 U25.2 U25.24 | length 5566.1
  Top Layer w8: v1(2289.91,2064.98) 2290.25,2064.65 U13.55@2344.81,2064.65 ; v1(2294.76,2316.62) U13.39@2344.81,2316.62 ; v1(2295.04,2363.86) U13.36@2344.81,2363.86 ; v1(2296.91,2410.98) 2297.02,2411.1 U13.33@2344.81,2411.1 ; U13.54@2344.81,2080.4 2394.5,2080.4 v1(2394.91,2079.98) ; U13.69@2465.96,1864.76 2465.96,1823.93 v1(2474.91,1814.98) 2474.91,1818.77 2481.71,1825.58 U13.70@2481.71,1864.76 ; U13.23@2544.7,2469.26 2544.91,2469.05 2544.81,2468.95 2544.81,2424.09 v1(2544.91,2423.98) ; v1(2614.03,2421.51) 2614.03,2423.25 2623.44,2432.66 U13.18@2623.44,2469.26 ; v1(2625.84,2521.51) 2625.84,2521.36 2639.19,2508.01 U13.17@2639.19,2469.26 ; v1(2733.67,2422.11) U13.11@2733.67,2469.26 ; v1(2753.92,1918.42) 2765.17,1907.17 U13.88@2765.17,1864.76 ; v1(2848.48,2262.32) 2852.27,2262.32 2859.6,2254.99 2896.44,2254.99 2910.31,2268.87 2948.81,2268.87 U13.119@2949.31,2269.37 ; v1(2879.91,2070.98) 2883.7,2070.98 2890.04,2064.65 U13.106@2949.31,2064.65 ; U13.96@2891.15,1864.76 2891.15,1900.07 2900.46,1909.38 v1(2900.46,1911.22) ; U13.1@2891.15,2469.26 2891.15,2508.44 2900.91,2518.2 v1(2900.91,2521.98)
  Top Layer w10: v1(805.47,2345.75) 805.68,2345.54 805.68,2309.72 J1.86@805.89,2309.51 ; J1.84@821.64,2309.51 821.85,2309.31 821.85,2273.46 v1(822.05,2273.25) ; U1.5@2683.33,1087.67 2726.59,1087.67 v1(2726.91,1087.98)
  Top Layer w15: v1(394.91,621.98) 395.31,622.38 429.18,622.38 R19.1@429.58,622.78 ; U9.3@511.46,687.3 511.46,739.98 511.04,740.4 511.04,776.33 C30.1@510.63,776.75 545.54,776.75 v1(546.18,777.39) ; U2.1@735.99,692.53 735.99,646.98 750.24,632.73 C37.1@793.32,632.73 792.34,633.71 792.34,671.27 v1(791.35,672.26) ; v1(864.91,2159.98) 864.91,2189.98 865.9,2190.97 R1.2@865.9,2196.95 R1.2@865.4,2196.45 ; v1(2329.91,1640.22) R125.2@2366.19,1640.22 ; v1(2403.14,1510.29) R122.2@2403.14,1552.62 ; R120.2@2440.48,1640.22 2441.62,1639.08 2441.62,1599.03 v1(2442.75,1597.89) ; R124.2@2477.44,1640.22 2478.41,1639.25 2478.41,1617.42 v1(2497.94,1597.89) 2497.94,1598.76 2511.75,1612.57 2511.75,1639.25 R119.2@2512.72,1640.22 ; R130.2@2587.49,1640.22 2590.87,1636.85 2590.87,1615.2 v1@2607.69,1598.37 ; v1(2607.69,1597.89) v1@2607.69,1598.37 ; R128.2@2624.24,1640.22 2621.99,1637.97 2621.99,1614.08 2607.69,1599.79 v1@2607.69,1598.37 ; R129.2@2661.02,1640.22 2665.33,1635.91 2665.33,1616.46 2679.91,1601.88 v1@2679.91,1600.72 ; v1(2679.91,1599.98) v1@2679.91,1600.72 ; R116.2@2697.67,1640.22 2694.28,1636.83 2694.28,1615.09 v1@2679.91,1600.72 ; v1(2726.91,1087.98) 2728.14,1089.21 2761.96,1089.21 D1.1@2763.19,1090.44 ; R127.2@2770.59,1640.22 2774.9,1635.91 2774.9,1613.5 2788.32,1600.09 v1@2788.32,1599.55 ; v1(2788.32,1598.2) v1@2788.32,1599.55 ; v1(2788.76,1209.32) 2790.63,1211.19 D2.1@2790.63,1250.9 ; R117.2@2807.8,1640.22 2804.41,1636.83 2804.41,1615.64 v1@2788.32,1599.55 ; v1(2844.83,1597.89) R126.2@2844.83,1640.22 ; v1(2880.46,1510.59) R114.2@2880.46,1552.92 ; v1(3071.91,1032.98) C94.2@3034.87,1032.98 3034.87,990.18 3051.52,973.53 U23.8@3109.49,973.53 ; v1(3079.91,1364.98) 3078.79,1363.86 C102.2@3037.54,1363.86 3037.54,1315.63 3041.61,1311.55 3041.61,1309.66 3041.95,1309.32 U22.8@3109.18,1309.32 ; v1(3243.91,1138.98) 3244.04,1139.12 R91.2@3244.04,1171.58 ; R95.2@3252,835.28 3256.3,830.98 3285.32,830.98 v1(3286.66,829.64)
  03_SIg1 w30: v1(414.91,3469.98) 634.91,3469.98 ; v1(679.91,3074.98) 679.91,3424.98 ; 690.39,3525.46 679.91,3514.98 ; v1(1539.91,3746.57) 1516.5,3746.57 1439.73,3669.8 ; 634.91,3469.98 679.91,3469.98 ; 634.91,3469.98 679.91,3514.98 ; 634.91,3469.98 679.91,3424.98 ; 679.91,3424.98 679.91,3469.98 ; 679.91,3469.98 679.91,3514.98 ; 679.91,3514.98 719.91,3554.98 1227.91,3554.98 v1(1316.91,3643.98) 1390.09,3643.98 ; 1390.09,3643.98 1413.91,3643.98 1439.73,3669.8 ; 1390.09,3643.98 v1(1415.91,3669.8) 1439.73,3669.8
  Bottom Layer w10: v1(1099.91,4169.98) 1100.17,4170.24 1100.17,4200.32 R32.1@1100.42,4200.58 R33.1@1100.42,4236.8
  Bottom Layer w15: v1(1039.91,84.98) 1050.49,95.56 R18.1@1050.49,130.54 ; R109.1@1058.02,2434.43 1055.3,2434.43 1050.99,2430.12 1050.99,2396.22 v1(1067.62,2379.6) 1084.36,2362.85 1084.36,2312.39 R108.1@1081.41,2309.43 ; C140.1@1280.79,3648.33 1283.8,3645.32 1315.57,3645.32 v1(1316.91,3643.98) 1317.14,3644.21 U25.1@1366.49,3644.21 ; U25.2@1366.49,3669.8 v1(1415.91,3669.8) ; v1(1539.91,3746.57) U25.24@1598.77,3746.57 ; D6.2@2172.19,1622.72 v1(2172.19,1659.98) ; v1(2289.91,2064.98) 2291.8,2064.98 2297.49,2059.3 C63.1@2335.42,2059.3 ; v1(2294.76,2316.62) 2296.66,2316.62 2300.4,2312.87 C69.1@2331.17,2312.87 ; v1(2295.04,2363.86) 2296.38,2362.52 2329.02,2362.52 C77.1@2333.06,2358.48 ; C78.1@2295.64,2447.8 2296.27,2447.17 2296.27,2411.62 v1(2296.91,2410.98) ; v1(2394.91,2079.98) 2395.35,2080.42 2395.35,2116.8 C62.1@2395.79,2117.24 ; v1(2474.91,1814.98) 2475.64,1815.71 2475.64,1853.01 C125.1@2476.36,1853.74 ; v1(2544.91,2423.98) 2544.91,2425.88 2561.85,2442.82 C68.1@2561.85,2481.01 ; C65.1@2613.15,2385.63 2613.59,2386.07 2613.59,2421.07 v1(2614.03,2421.51) ; C66.1@2622.04,2480.45 2622.04,2515.82 2625.84,2519.61 v1(2625.84,2521.51) ; v1(2728.91,1990.98) 2729.72,1990.17 2729.72,1957.05 R138.2@2730.54,1956.23 ; C60.1@2732.8,2385.87 2733.24,2386.31 2733.24,2421.67 v1(2733.67,2422.11) ; C131.1@2751.56,1875.86 2752.74,1877.04 2752.74,1917.23 v1(2753.92,1918.42) ; C134.1@2899.59,1871.63 2900.03,1872.07 2900.03,1910.78 v1(2900.46,1911.22)
  Bottom Layer w20: U19.5@321.59,3452.89 363.21,3452.89 375.46,3465.14 R90.1@375.46,3468.09 413.02,3468.09 v1(414.91,3469.98) ; v1(679.91,3074.98) 679.91,3075.53 682.35,3077.97 R49.2@682.35,3111.76 ; R28.1@1519.75,3267.11 1520.54,3266.32 v1(1554.91,3266.32) ; v1(2900.91,2521.98) 2900.91,2522.53 2905.5,2527.11 2905.5,2560.29 2907.31,2562.11 C53.1@2910.26,2562.11
  other v1: 1732.1,2825.47 1652.1,2868 1692.1,2868.3 1732.1,2868.3 1652.1,2910.4 1692.1,2910.7 1732.1,2910.7